# KiCad board helixloop.kicad_pcb (continued)
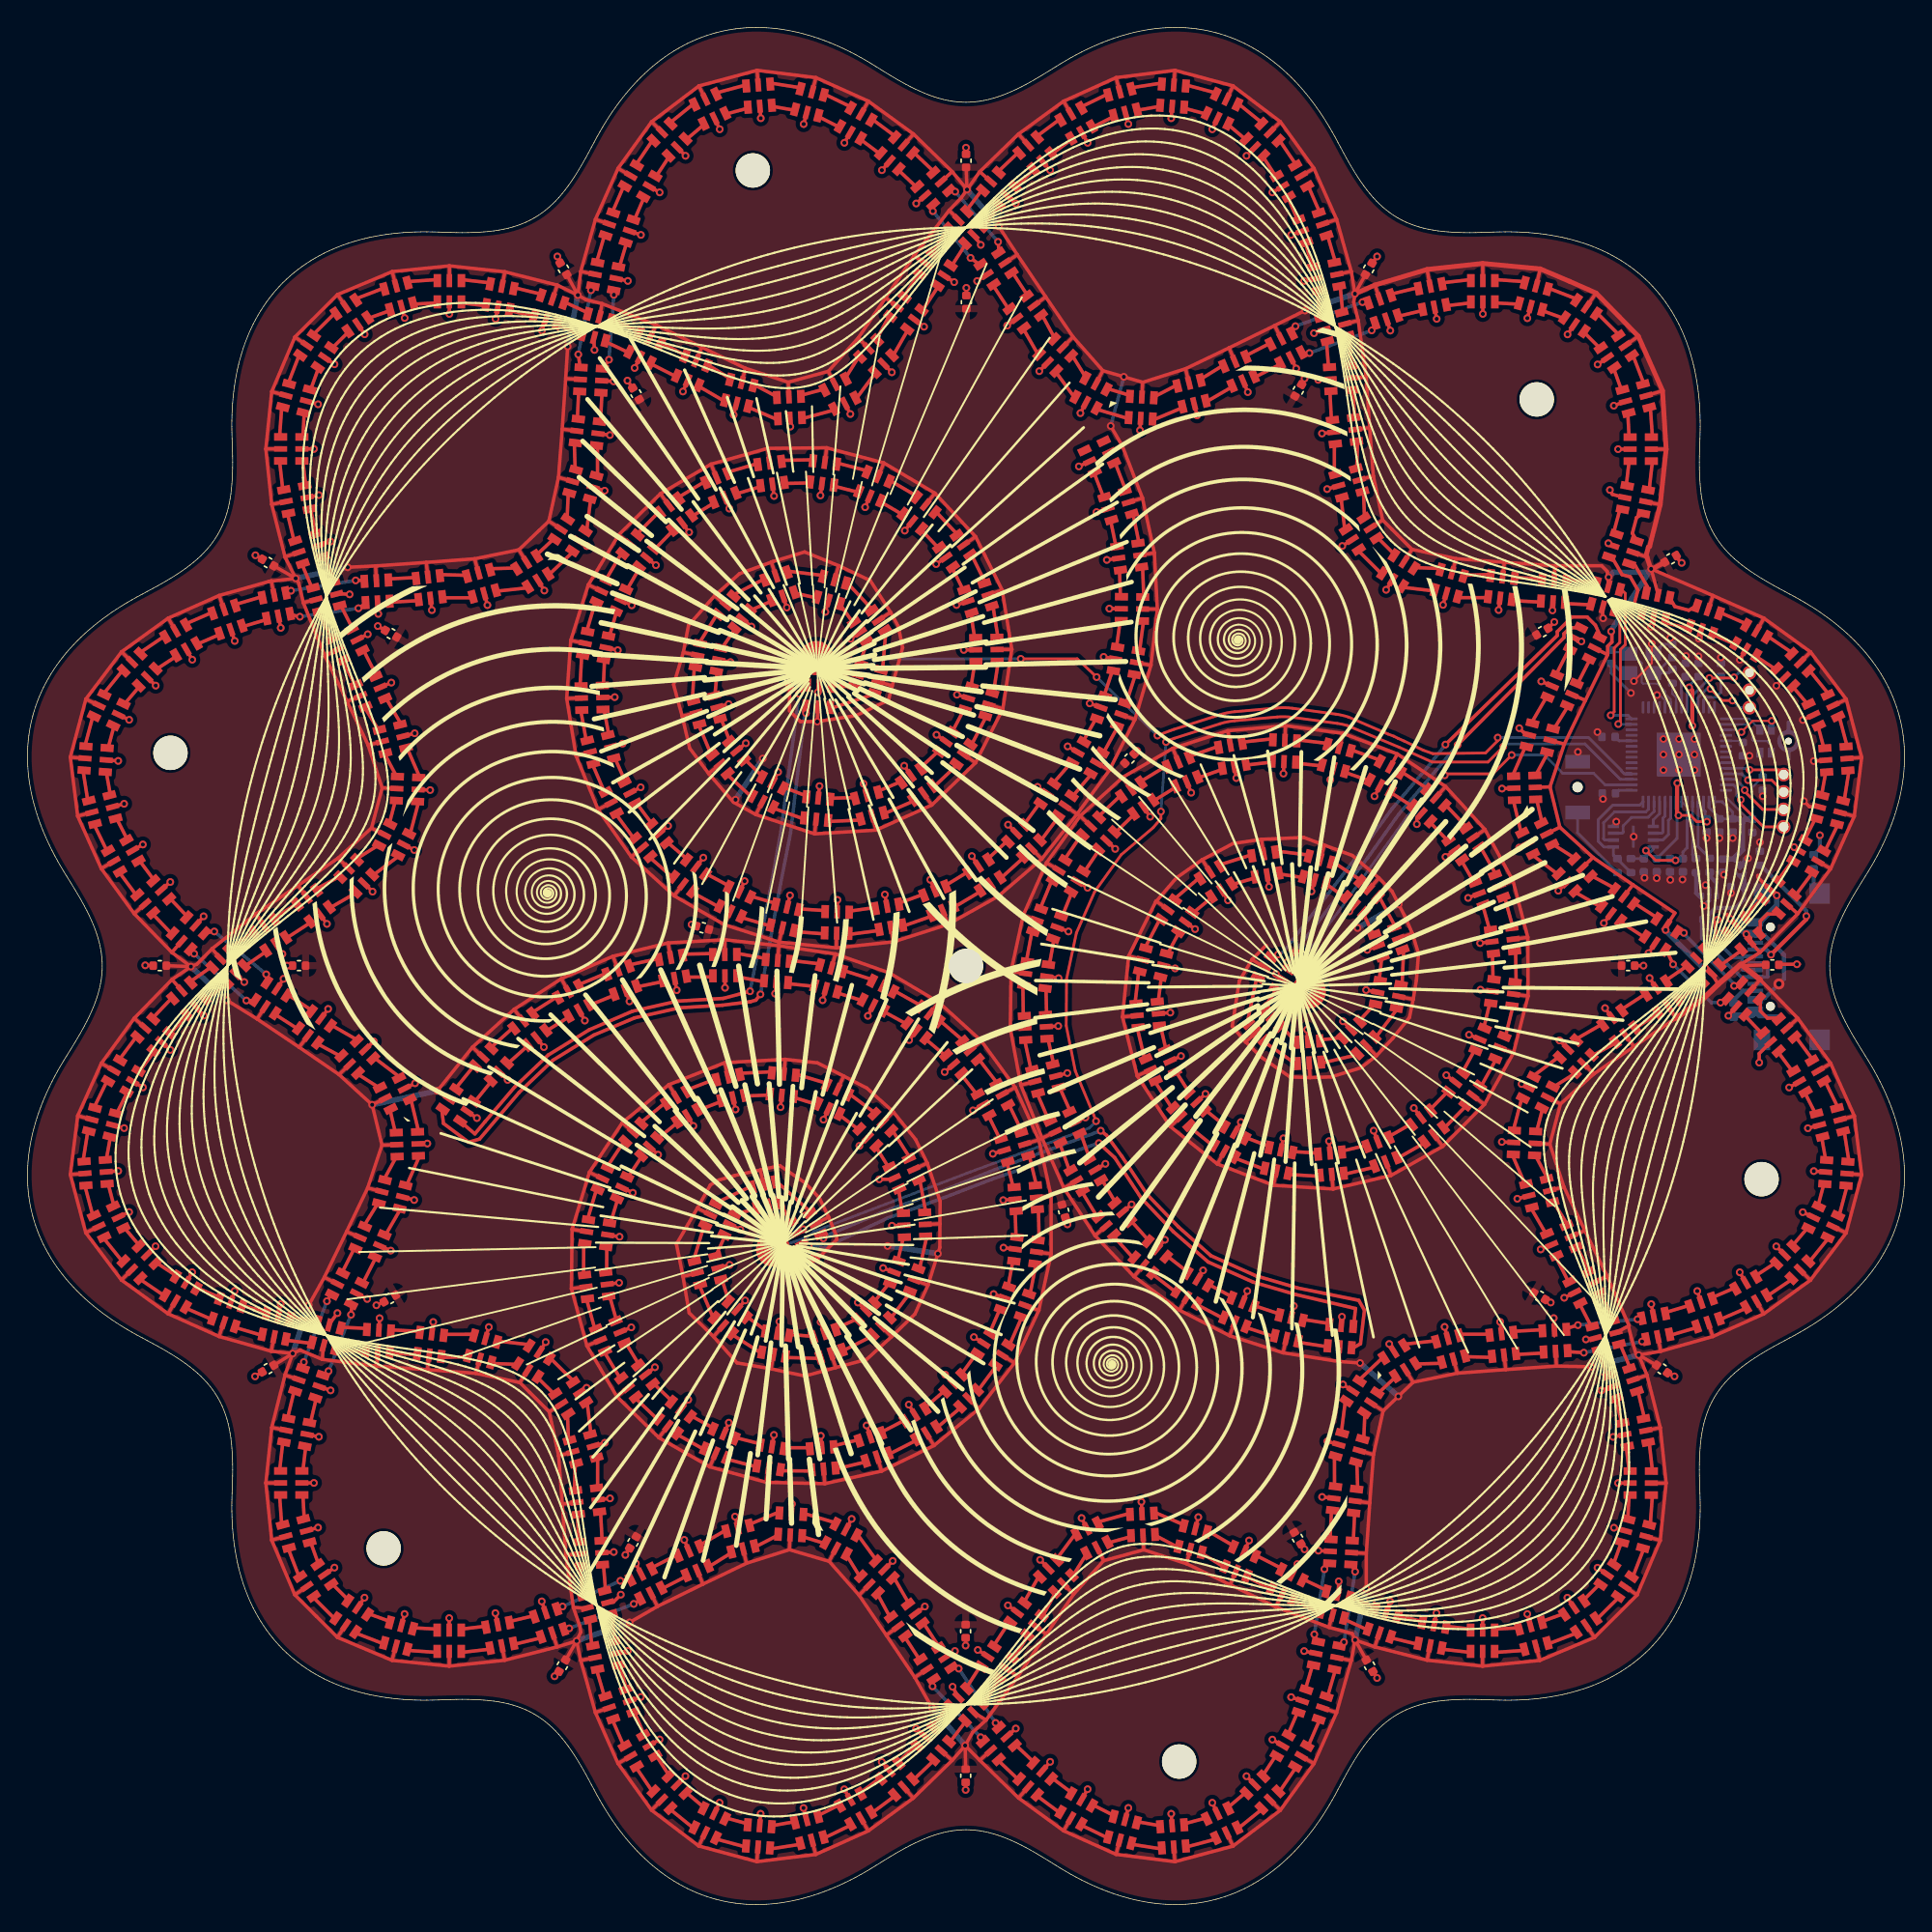
[diagram p0: board, top side]
## Routing (per net, layer and track width the routed paths; a pad name or vN(x,y) marks a point on that pad's centre or on a via; arc(x,y) is an arc through that point) (continued)
; 43.02,10.28 45.47,6.88 ; 43.02,10.28 41.37,13.99 ; 43.02,10.28 43.88,10.78 ; 45.47,6.88 46.17,7.58 ; 94.47,77.18 94.2,76.22 ; 17.79,102 18.76,98.18 ; 17.79,102 18.77,102.2 ; 116.45,113.61 117.35,114.25 ; 71.9,39.46 71.06,39.99 ; 5.16,87.38 4.25,87.82 ; 4.25,87.82 6.86,91.26 ; 73.48,71.73 72.54,72.06 ; 106.01,17.37 106.01,18.37 ; 18.76,98.18 19.71,98.5 ; 75.47,113.49 76.17,114.2 ; 76.17,114.2 78.34,111.74 ; 59.46,60.35 59.04,59.45 ; 43.73,37.62 42.94,37.01 ; 57.42,3.65 53.14,3.12 ; 57.42,3.65 57.17,4.62 ; 57.35,78 61.82,78.27 ; 57.35,78 57.45,78.99 ; 61.82,78.27 61.56,79.24 ; 78.34,111.74 77.88,110.86 ; 41.37,13.99 42.32,14.32 ; v1(20.49,43.66) 21.63,45.69 ; 21.63,45.69 23.25,49.02 ; 21.63,45.69 22.52,45.24 ; 24.78,52.2 23.25,49.02 ; 24.78,52.2 25.75,51.95 ; 24.78,52.2 25.83,55.32 ; 23.25,49.02 24.17,48.63 ; 25.83,55.32 26.83,55.36 ; 111.22,96.53 111.28,97.53 ; 40.86,96.14 39.58,92.09 ; 40.86,96.14 41.76,95.71 ; 113.61,116.45 114.27,117.4 ; 106.02,118.38 106.02,119.55 ; 63.09,70.14 62.91,71.12 ; 53.14,3.12 53.21,4.12 ; 40.56,91.89 39.58,92.09 ; 6.86,91.26 7.57,90.56 ; 49.8,104.93 50.18,104.01 ; 117.99,109.93 119.11,110.28 ; 109.93,117.99 110.21,119.16
  Top w0.3: D110.5 122.59,67.85 v1(122.22,68.22) ; D111.5 125.5,70.41 v1(125.22,70.69)
  Top w0.35: C12.2 118.28,97.25 117.98,98.16 117.92,98.27 118.08,98.88 118.18,98.94 118.95,101.98 119.38,106.02 119.11,110.28 117.35,114.25 114.27,117.4 112.34,118.25 110.21,119.16 106.02,119.55 101.96,119.12 98.16,117.98 v1(96.7,117.34)
  Top w0.4: 126.22,67.38 124.94,68.4 ; 124.82,68.5 124.02,67.79 123.17,67.04 121.99,65.91 120.09,64.57
  Bottom w0.2: U9.4 124.62,75.02 124.91,75.02 U9.3
  Bottom w0.25: v1(78.91,107.71) v1(79.87,111.29) ; v1(115.37,92.74) 115.37,92.82
  Bottom w0.3: v1(122.22,68.22) 122.11,68.22 ; C33.1 125.06,75.12 125.12,75.17 ; C33.1 125.06,73.22 124.46,72.61 123,72.61 122.5,72.11 U6.5 122.5,71.15 122.76,70.89 124.95,70.89 124.99,70.85 125.27,70.85 ; C33.1 125.06,74.59 124.68,74.97 ; v1(125.22,70.69) 125.27,70.75 125.27,70.85 ; 125.27,70.85 J6.A4 ; J6.B4 126.57,66.04 127.96,67.43 127.96,69.21 126.57,70.6 J6.B9 125.82,70.66
  Bottom w0.4: v1(117.38,40.03) v1(113.91,39.17) ; v1(68.31,11.58) v1(65.89,14.35) ; v1(19.32,40.14) v1(20.49,43.66) ; v1(25.11,58.26) v1(29.86,59.28) ; v1(40.1,117.25) v1(39.35,113.5) ; v1(66.32,47.42) v1(62.66,47.98) ; 122.11,68.22 122.07,68.22 119.34,70.94 v1(119.34,70.99) ; v1(68.45,124.93) v1(70.76,122.25) ; v1(11.91,68.33) v1(14.53,65.88) ; v1(93.07,116.12) v1(96.7,117.34) ; v1(96.72,19.28) v1(97.53,23) ; v1(97.08,39.45) v1(99.87,37.02) ; v1(115.18,96.7) 115.53,97.05 118.03,97.05 v1(118.28,97.3) 115.37,92.82 ; v1(40.01,19.21) v1(43.86,20.55) ; v1(19.54,96.61) v1(23.33,97.42) ; v1(51.58,80.49) v1(53.56,83.49) ; v1(99.89,72.87) v1(96.9,71.14)
  vias: v2(127.59,67.06)
GND: length 348.5
  Top w0.15: v1(118.33,91.84) 118.33,90.43 v1(117.03,89.13) ; D210.2 111.24,41.37 ; 114.09,41.13 D101.2 113.63,41.27 v1(113.53,41.17)
  Top w0.2: C13.1 55.78,46.64 v1(55.75,46.61)
  Top w0.25: 105.7,73.62 v1(104.95,73.33) ; 45.08,38.65 v1(45.71,39.14) ; 109.22,77.27 v1(108.67,77) ; 109.28,59.56 v1(108.85,59.78) ; 41.25,114.08 v1(41.31,113.25) ; 59.67,27.39 v1(60.04,28.09) ; 18.21,66.77 v1(18.65,67.44) ; 92.81,14.85 v1(92.06,15.11) ; 59.58,109.29 v1(59.95,108.58) ; 108.21,55.52 v1(107.41,55.56) ; 60.63,92.65 v1(59.96,92.21) ; 98.3,66.47 v1(97.52,66.62) ; 55.06,95.25 v1(55.32,94.49) ; 118.46,93.79 118.46,93.27 v1(118.27,93.09) ; v1(111.1,94.28) 111.13,94.31 111.13,94.83 ; v1(108.68,85.7) 109.15,85.22 109.35,85.22 ; 57.86,33.35 v1(57.79,34.15) ; 5.81,53.38 v1(6.61,53.44) ; 21.42,64.61 v1(21.91,65.25) ; 41.91,111.01 v1(42.7,110.96) ; C36.1 v1(43.71,111.02) ; 74.98,60.37 v1(75.75,60.57) ; 91.38,11.62 v1(90.69,12.02) ; 8.77,47.39 v1(9.33,47.96) ; 51.74,27.49 v1(51.55,28.26) ; 12.3,71.39 v1(12.83,71.99) ; 47.38,127.96 v1(47.94,127.4) ; 42.58,84.37 v1(43.35,84.57) ; 112.63,21.69 v1(112.18,22.35) ; 65.34,12.29 v1(64.74,12.82) ; 12.31,65.36 v1(12.84,64.76) ; 89.37,8.78 v1(88.8,9.35) ; 126.06,74.98 126.06,74.84 126.93,73.96 ; C45.1 v1(80.84,84.04) ; 125.15,91.37 v1(124.75,90.68) ; 27.4,51.53 v1(28.17,51.32) ; v1(127.43,73.51) 127.43,73.5 127.02,73.91 D112.2 ; 42.95,118.44 v1(43.74,118.28) ; C48.1 v1(25.52,93.14) ; 28.54,81.22 v1(29.34,81.19) ; 83.38,5.81 v1(83.32,6.61) ; 21.32,37.71 v1(22.08,37.46) ; 20.44,102.52 v1(21.23,102.68) ; 22.6,95.5 v1(23.47,95.45) ; 87.92,82.85 v1(88.06,82.06) ; 91.47,67.38 91.36,67.38 v1(90.95,67.79) ; 111.02,88.79 v1(110.28,89.11) ; 46.06,78.06 v1(46.67,78.58) ; 50.31,87.25 v1(51.08,87.45) ; 51.76,43.41 v1(52.28,44.01) ; v1(38.4,16.63) 38.73,16.96 C7.1 ; 121.9,43.94 v1(121.64,44.69) ; 55.66,28.55 v1(55.69,29.18) ; 71.9,47.75 v1(71.1,47.85) ; 112.71,92.27 112.95,92.02 v1(113.2,92.02) ; 94.88,54.82 v1(94.82,55.61) ; 54.28,103.41 v1(54.39,102.61) ; 37.74,115.42 v1(37.48,114.66) ; 45.36,11.63 v1(46.05,12.02) ; 42.95,18.32 v1(43.74,18.48) ; v1(93.44,68.3) C14.1 ; 20.07,30.71 v1(20.87,30.71) ; v1(93.04,25.88) 92.77,26.15 C49.1 ; v1(115.28,103.05) 115.47,102.73 116.3,102.51 ; 7.72,59.93 v1(8.41,59.53) ; 40.24,99.3 v1(40.75,98.96) ; 57.68,88.88 57.68,88.41 v1(57.58,88.31) ; 71.4,12.3 v1(72,12.83) ; 57.87,103.45 v1(57.77,102.65) ; 11.61,91.38 v1(12.01,90.68) ; 114.74,94.45 114.74,93.75 v1(114.79,93.7) ; C38.1 75.61,49.7 v1(75.76,49.55) ; 66.87,84.75 v1(66.22,85.22) ; v1(111.23,93.44) 111.23,93.43 C39.1 ; 68.48,87.9 v1(67.72,88.14) ; 51.72,84.1 v1(52.34,84.6) ; 29.37,95.09 v1(29.46,94.3) ; 37.32,40.3 v1(37.76,40.97) ; 29.47,41.65 v1(29.56,42.44) ; 103.45,41.31 v1(103.24,42.08) ; 66.84,118.63 v1(67.51,118.19) ; v1(129.41,80.39) 129.82,79.98 130.47,79.98 ; 64.68,115.43 v1(65.32,114.95) ; 42.31,45.2 v1(43.1,45.3) ; 5.81,83.38 v1(6.61,83.31) ; C2.1 v1(68.37,127.99) ; 47.15,67.4 v1(47.3,66.61) ; 9.8,73.97 v1(10.41,74.49) ; 94.83,111.12 v1(94.03,111.07) ; 42.22,91.54 v1(43.01,91.38) ; 44.68,24.13 v1(44.32,24.85) ; 67.42,38.04 v1(66.86,38.6) ; 21.7,24.09 v1(22.36,24.55) ; 76.54,74.49 v1(77.23,74.08) ; 60.41,89.56 v1(59.64,89.79) ; 58.14,66.65 v1(57.93,65.88) ; 98.35,69.82 v1(97.6,69.55) ; 94.84,25.74 v1(94.04,25.78) ; 109.47,20.39 v1(109.26,21.16) ; 50.07,6.7 v1(50.42,7.42) ; 79.42,98.07 v1(78.63,97.96) ; 66.07,73.92 v1(65.77,74.66) ; C47.1 v1(43.56,25.47) ; 20.07,106.04 v1(20.87,106.04) ; 78.14,87.24 v1(77.38,87.5) ; 110.97,48.04 v1(110.24,47.73) ; 68.97,121.58 v1(69.45,120.91) ; v1(55.7,90.04) 55.57,89.76 C15.1 ; 37.72,21.33 v1(37.47,22.08) ; C44.1 48.49,71.29 v1(48.38,71.4) ; 41.64,29.49 v1(42.44,29.59) ; 50.43,90.67 v1(51.21,90.51) ; 24.08,92.18 v1(24.79,92.54) ; 84.47,81.74 v1(84.78,81) ; 99.01,21.33 v1(99.27,22.09) ; 79.61,94.4 v1(78.81,94.41) ; 74.27,112.28 v1(73.71,111.71) ; 85.23,58.52 v1(85.82,59.06) ; 115.32,72.14 v1(114.84,71.5) ; 90.32,74.93 v1(90.45,74.14) ; C8.1 v1(68.35,8.35) ; 107.27,95.1 v1(107.17,94.31) ; 6.27,56.77 v1(7.04,56.56) ; 11.6,45.37 v1(12,46.07) ; 75.08,71.16 v1(75.84,70.89) ; 130.93,83.36 v1(130.13,83.3) ; 54.25,33.42 v1(54.38,34.21) ; 116.68,30.7 v1(115.88,30.7) ; 54.01,50.88 v1(54.19,50.1) ; 91.53,83.19 v1(91.5,82.39) ; 54.94,58.88 v1(54.86,58.09) ; 51.22,49.52 v1(51.93,49.17) ; 92.07,112.61 v1(92.43,111.9) ; 21.32,99.04 v1(22.08,99.29) ; 71.4,124.45 v1(72,123.92) ; 41.28,103.22 v1(42.05,103) ; 73.98,126.95 v1(74.5,126.35) ; 61.12,80.88 v1(60.91,81.65) ; 92.81,121.89 v1(92.06,121.63) ; 69.85,118.71 v1(69.18,118.27) ; 126.94,62.78 126.16,61.99 v1(126.16,61.34) ; 18.13,69.92 v1(18.57,69.25) ; 55.55,108.21 v1(55.57,107.67) ; 115.05,112.65 v1(114.39,112.2) ; 25.77,88.7 v1(26.51,89.02) ; 103.96,76.78 v1(103.3,76.32) ; 45.35,55.16 v1(45.94,54.62) ; 43.3,94.99 v1(44.02,94.65) ; 85.29,45.62 v1(85.64,46.2) ; 14.84,92.81 v1(15.1,92.05) ; 106.03,116.68 v1(106.03,115.88) ; 115.42,99.03 115.22,99.08 v1(115.17,99.17) ; 8.78,89.36 v1(9.34,88.8) ; 62.61,72.79 v1(62.46,73.58) ; 15.23,67.74 v1(15.79,67.2) ; 95.1,107.26 v1(94.31,107.17) ; 71.14,44.2 v1(70.38,44.47) ; 81.33,79.91 v1(81.79,79.25) ; 6.27,79.98 v1(7.04,80.19) ; 73.98,9.8 v1(74.5,10.4) ; 82.83,68.4 v1(83.6,68.2) ; 20.4,109.5 v1(21.17,109.29) ; 50.82,102.43 v1(51.13,101.69) ; 79.83,50.48 v1(80.44,51) ; C11.1 127.64,68.5 129.08,68.5 v1(128.9,68.5) ; 24.57,74.35 v1(25.14,73.79) ; 77.16,27.45 v1(76.79,28.16) ; 56.75,130.48 v1(56.55,129.71) ; 30.72,20.07 v1(30.72,20.87) ; 24.65,62.33 v1(25.22,62.89) ; 34.25,116.3 v1(34.1,115.51) ; 66.86,98.11 v1(66.2,97.65) ; 47.72,100.61 v1(48.2,99.97) ; 27.47,77.19 v1(28.18,76.82) ; 106.64,66.54 v1(105.85,66.65) ; 116.3,34.22 v1(115.52,34.07) ; 116.68,106.03 v1(115.88,106.03) ; v1(62.05,52.83) 63.02,52.83 63.09,52.9 ; 27.52,59.47 v1(28.24,59.83) ; 20.44,34.23 v1(21.23,34.08) ; 82.35,47.82 v1(82.86,48.43) ; 25.51,94.82 v1(25.56,94.02) ; 44.59,112.65 v1(44.23,111.94) ; 67.77,15.17 v1(67.39,15.87) ; 69.59,58.24 v1(68.88,57.85) ; 82.46,64.91 v1(83.26,64.98) ; 84.41,71.53 v1(85.06,71.06) ; 86.66,130.05 v1(86.31,129.33) ; 64.33,82.31 v1(63.87,82.96) ; 68.44,94.92 v1(67.68,94.67) ; 93.79,118.44 v1(93.01,118.28) ; 116.35,109.49 v1(115.57,109.19) ; 69.24,75.71 v1(68.8,76.38) ; 48.75,75.63 v1(49.24,76.27) ; 76.35,56.99 v1(77.07,57.34) ; 95.11,29.6 v1(94.31,29.69) ; v1(121.76,92.22) 121.91,92.38 121.91,92.81 ; 47.37,8.79 v1(47.93,9.36) ; 42.34,48.77 v1(43.13,48.65) ; 52.13,93.61 v1(52.74,93.1) ; 96.39,63.77 v1(95.84,64.35) ; 61.06,43.29 v1(60.49,43.86) ; 27.27,116.35 v1(27.48,115.58) ; v1(119.99,38.48) C10.1 ; 95.72,42.26 v1(95.76,42.82) ; 62.76,9.79 v1(62.24,10.39) ; 28.53,55.42 v1(29.13,55.44) ; 61.34,102.53 v1(61.02,101.8) ; 81.19,28.54 v1(81.15,29.34) ; 74.33,67.6 v1(75.12,67.48) ; 125.14,45.37 v1(124.74,46.06) ; 21.99,42.29 v1(22.58,43.09) ; 48.1,57.41 v1(48.51,56.72) ; 92.08,42.82 v1(92.25,43.6) ; 14.83,43.94 v1(15.09,44.7) ; 32.08,57.75 v1(32.74,57.3) ; 65.34,124.45 v1(64.74,123.92) ; 99.41,96.45 v1(98.98,95.78) ; 99.51,40.34 v1(99.2,40.84) ; 109.49,116.35 v1(109.27,115.57) ; 43.38,52.19 v1(44.1,51.85) ; v1(56.51,49.2) D276.2 55.96,48.86 ; C46.1 v1(117.72,68.4) ; 101.51,79.43 101.22,79.14 v1(101.22,78.71) ; 93.79,18.31 v1(93.01,18.46) ; 54.53,67.16 v1(54.47,66.36) ; 103.34,95.45 v1(103.12,94.68) ; 43.58,66.55 v1(43.86,65.8) ; 91.33,55.04 v1(91.49,55.82) ; v1(120.51,97.74) 120.41,97.77 C12.1 ; 107.38,41.65 v1(107.28,42.45) ; 79.19,90.75 v1(78.4,90.89) ; 50.38,46.41 v1(51.15,46.6) ; 37.13,63.09 v1(37.62,62.47) ; 78.66,77.45 v1(79.24,76.9) ; 79.99,130.48 v1(80.2,129.71) ; 69.62,40.91 v1(68.95,41.34) ; 79.99,6.27 v1(80.2,7.04) ; 6.69,86.65 v1(7.41,86.31) ; 45.16,98.08 v1(45.79,97.57) ; 47.65,36.14 v1(48.14,36.78) ; 64.62,35.74 v1(64.21,36.42) ; C40.1 v1(93.04,111.17) ; 64.72,63.6 v1(64.23,62.98) ; 64.73,21.23 v1(65.38,21.71) ; 105.76,63.06 v1(105.02,63.36) ; 71.88,51.38 v1(71.08,51.31) ; 43.25,41.74 v1(43.99,42.05) ; 87.03,73.84 v1(87.45,73.16) ; 40.21,65.09 v1(40.6,64.4) ; 69.9,18.11 v1(69.23,18.55) ; 106.01,20.07 v1(106.01,20.87) ; C3.1 v1(38.6,120.06) ; 118.45,42.96 v1(118.29,43.74) ; C4.1 v1(16.61,98.29) ; 98.36,55.63 v1(98.07,56.38) ; 112.1,74.41 v1(111.52,73.86) ; 21.71,112.66 v1(22.37,112.21) ; 95.45,103.34 v1(94.68,103.12) ; 112.67,44.56 v1(111.95,44.2) ; 48.07,110.96 v1(47.75,110.22) ; 61.38,34.14 v1(61.13,34.9) ; 104,59.93 v1(103.36,60.42) ; 41.98,87.94 v1(42.78,87.96) ; 91.38,125.13 v1(90.69,124.73) ; 76.83,7.71 v1(77.23,8.4) ; 88.57,43.95 v1(88.86,44.69) ; 94.4,114.72 v1(93.72,114.47) ; C9.1 v1(98.32,16.51) ; 61.58,65.45 v1(61.22,64.74) ; 106.62,70.14 v1(105.82,70.04) ; 43.93,121.89 v1(44.69,121.63) ; 24.04,44.48 v1(24.75,44.12) ; 40.28,37.36 v1(40.73,37.64) ; 130.05,50.09 v1(129.33,50.44) ; 21.34,72.08 v1(21.82,71.44) ; 18.29,42.96 v1(18.45,43.74) ; 48.16,25.83 v1(47.85,26.57) ; 112.65,115.05 v1(112.2,114.39) ; 96.66,72.77 v1(96.29,72.35) ; 6.68,50.1 v1(7.41,50.45) ; 25.61,41.92 v1(25.65,42.71) ; v1(16.58,38.48) C6.1 ; 27.26,20.39 v1(27.47,21.17) ; C5.1 v1(8.58,68.42) ; 77.32,105.11 v1(76.59,104.77) ; 89.37,127.96 v1(88.8,127.4) ; 37.23,96.4 v1(37.66,95.73) ; 72.01,115.51 v1(71.37,115.03) ; 58.03,41.68 v1(57.78,42.44) ; 69.01,91.41 v1(68.21,91.4) ; 115.41,64.66 v1(114.93,65.3) ; 53.36,130.93 v1(53.42,130.13) ; 78.65,101.67 v1(77.88,101.44) ; v1(43.23,22.58) 42.68,22.03 42.35,22.03 ; 130.06,86.64 v1(129.34,86.3) ; 62.41,112.2 v1(62.97,111.62) ; 56.74,6.26 v1(56.53,7.03) ; 66.9,18.03 v1(67.57,18.47) ; 18.3,93.79 v1(18.45,93) ; 62.77,126.95 v1(62.24,126.35) ; 95.12,82.71 v1(94.91,81.94) ; 93.27,62.94 v1(93.22,63.74) ; 92.15,24.09 v1(92.51,24.8) ; 24.1,21.7 v1(24.55,22.36) ; 54.31,81.8 v1(54.68,82.5) ; 76.47,83.97 v1(75.78,84.37) ; 129.03,59.92 v1(128.34,59.52) ; 112.18,62.4 v1(111.6,62.95) ; 63.78,49.48 v1(62.98,49.45) ; 74.33,24.54 v1(73.77,25.11) ; 77.08,109.36 v1(76.71,108.65) ; 43.93,14.86 v1(44.69,15.12) ; 41.64,107.15 v1(42.43,107.05) ; 58.33,57.9 v1(57.99,57.18) ; v1(110.97,43.86) 110.75,44.08 C43.1 ; 127.97,47.38 v1(127.4,47.95) ; 55.37,72.74 v1(55.55,73.52) ; 129.02,76.81 128.92,76.81 v1(128.7,77.03) ; 7.72,76.82 v1(8.41,77.22) ; 102.49,20.45 v1(102.65,21.23) ; C1.1 v1(98.32,120.06) ; 72,78.09 v1(71.44,78.67) ; 58.35,94.94 v1(58.13,94.17) ; 50.78,34.37 v1(51.09,35.1) ; 74.24,80.97 v1(73.58,81.42) ; 61.17,55.84 v1(60.61,55.27) ; 99.03,115.42 v1(99.28,114.66) ; 108.22,81.33 v1(107.42,81.3) ; 51.41,58.7 v1(51.58,57.92) ; 95.46,33.52 v1(94.7,33.75) ; 86.66,6.69 v1(86.31,7.42) ; 130.93,53.37 v1(130.13,53.43) ; 34.4,60.62 v1(34.98,60.07) ; C42.1 v1(18.92,68.4) ; 81.09,108.2 v1(81.05,107.4) ; 25.73,47.95 v1(26.46,47.64) ; 95.49,22.66 v1(95.53,23.54) ; 83.38,130.93 v1(83.32,130.13) ; 109.31,51.62 v1(108.53,51.42) ; 41.29,33.42 v1(42.06,33.64) ; C29.1 v1(68.35,18.87) ; 96.5,37.45 v1(95.84,37.89) ; 77.83,53.56 v1(78.52,53.96) ; 98.51,81.44 v1(98.13,80.74) ; 67.43,61.17 v1(66.82,60.65) ; 83.31,61.48 v1(84.03,61.81) ; C37.1 v1(68.4,117.78) ; 127.98,89.35 v1(127.41,88.79) ; 124.44,65.35 v1(123.91,64.75) ; 74.29,63.95 v1(75.09,64) ; 111.23,41.92 v1(111.19,42.72) ; 76.83,129.03 v1(77.23,128.34) ; 85.01,109.26 v1(85.2,108.48) ; 116.35,27.24 v1(115.57,27.45) ; 115.42,37.71 v1(114.67,37.45) ; 53.35,5.82 v1(53.41,6.61) ; 88.68,25.78 v1(88.99,26.52) ; 24.11,115.06 v1(24.56,114.39) ; 85.1,27.45 v1(85.3,28.22) ; 118.61,66.83 v1(118.17,67.5) ; 93.75,74.58 v1(93.54,73.81) ; 54.64,41.68 v1(54.78,42.47) ; 62.47,24.46 v1(63.04,25.03) ; 33.3,95.43 v1(33.51,94.66) ; 34.24,20.45 v1(34.09,21.23) ; 50.81,67.59 v1(50.82,66.79) ; 64.41,100.71 v1(63.91,100.09) ; 30.74,116.68 v1(30.73,115.88) ; 50.09,130.05 v1(50.43,129.33) ; 63.08,46.08 v1(62.33,46.37) ; 57.62,80.68 v1(57.7,81.48) ; 58.99,72.39 v1(59.01,73.19) ; 72.07,21.31 v1(71.43,21.79) ; 71.09,54.93 v1(70.33,54.69) ; 43.96,81.02 v1(44.67,81.39) ; 33.39,41.3 v1(33.61,42.07) ; 51.64,109.3 v1(51.44,108.52) ; 102.51,116.3 v1(102.66,115.51) ; 51.9,73.83 v1(52.24,74.56) ; 59.9,7.7 v1(59.5,8.4) ; 115.04,24.08 v1(114.38,24.54) ; 59.91,129.03 v1(59.51,128.34) ; 118.53,69.98 v1(118.09,69.31) ; 20.4,27.25 v1(21.17,27.46) ; 45.36,125.13 v1(46.06,124.73) ; 88,56.3 v1(88.39,57) ; 27.43,85.13 v1(28.21,85.33) ; 9.81,62.79 v1(10.41,62.26) ; 96.45,99.4 v1(95.78,98.97) ; 41.91,25.64 v1(42.71,25.68) ; 101.48,57.39 v1(100.99,58.03) ; 90.7,64.68 v1(91.28,65.23) ; C41.1 v1(25.42,43.66) ; 130.48,56.76 v1(129.7,56.56) ; 88.59,110.92 v1(88.9,110.18)
  Top w0.3: D111.2 124.07,71.73 v1(124.07,71.8) 123.82,72.11
  Bottom w0.15: U7.19 119.3,87.71 118.9,88.11 v1(118.71,88.11) ; v1(118.33,91.84) 118.45,91.73 Y6.2 ; Y6.4 116.7,89.46 v1(117.03,89.13)
  Bottom w0.2: v1(124.1,73.68) 124.1,73.68 C33.2 ; v1(114.37,85.42) 114.37,85.39 C24.2 ; C26.2 120.59,74.7 v1(120.57,74.67) ; U10.4 115.54,78.69 v1(115.74,78.89) ; C25.2 v1(124.23,77.69) ; SW6.2 112.92,83.94 v1(112.95,83.97) ; C17.2 v1(118.69,74.77) ; C23.2 v1(123.36,90.85) ; v1(119.68,74.65) 119.65,74.67 C20.2 ; v1(116.81,88.26) 115.36,89.71 C30.2 115.49,90.42 116.19,89.72 Y6.4 ; C27.2 v1(122.32,77.69) ; C18.2 114.73,80.59 v1(114.78,80.54) ; C32.2 v1(126.41,80.74) ; C34.2 123.52,75.1 v1(123.59,75.03) ; C22.2 125.44,83.69 v1(125.45,83.69) ; v1(117.8,74.8) 117.75,74.85 C35.2 ; C16.2 v1(121.74,90.93) ; C28.2 v1(123.26,77.69) ; U10.9 v1(117.01,77.8) ; v1(120.82,90.95) 120.8,90.93 C19.2 ; R6.1 v1(126.21,77.39) ; Y6.2 119.14,91.81 C31.2 119.68,91.97 v1(119.68,92.27)
  Bottom w0.3: U6.2 122.5,73.13 v1(122.11,72.74) 122.07,72.74 ; U6.2 122.5,74.01 v1(122.25,74.27) ; U6.2 122.5,73.87 ; 128.29,86.1 128.29,85.44 ; v1(125.34,76.22) 125.29,76.17 U9.2 125.09,76.01 U9.5 ; 127.61,64.72 127.6,64.71 126.16,64.71 J6.A12 ; v1(130.58,77.9) 130.58,76.93 R13.1 ; 128.29,84.1 128.29,83.43
  Bottom w0.4: v1(127.43,73.51) 127.43,72.79 126.3,71.65 J6.A1 124.22,71.65 v1(124.07,71.8) ; J6.A12 125.67,64.79 124.46,64.79 R7.1
  vias: v1(119.18,84.91) v1(119.18,83.78) v1(119.18,82.65) v1(120.32,84.91) v1(120.32,83.78) v1(120.32,82.65) v1(121.44,84.91) v1(121.44,83.78) v1(121.44,82.65)
/LED_DATA: length 9.7
  Top w0.2: v1(115.34,86.64) 115.59,86.89 115.59,91.53 116,91.94 116,93.83 115.61,94.22
  Bottom w0.2: v1(115.34,86.64) 116.6,86.64 U7.14
/LED_SCK: length 11.2
  Top w0.2: v1(115.89,86) 116.05,86.15 116.05,91.42 116.4,91.78 116.4,95.51 116.05,95.86
  Bottom w0.2: v1(115.89,86) 115.92,85.98 U7.13
/PDM_CLK: length 4.8
  Bottom w0.15: MIC6.4 127.04,84.43 126.72,84.76 125.75,84.76 125.65,84.86 125.65,85.49 125.17,85.98 U7.30
/PDM_DATA: length 2.8
  Bottom w0.15: MIC6.1 125.43,86.38 U7.29
/PDM_LRCLK: length 4.4
  Top w0.15: v1(127.07,86.23) 125.67,86.23 v1(124.86,85.42)
  Bottom w0.15: v1(127.07,86.23) 127.07,85.63 MIC6.2 ; U7.31 124.7,85.58 v1(124.86,85.42)
/QSPI0: length 2
  Bottom w0.2: U10.5 118.44,79.01 118.9,79.47 U7.53
/QSPI1: length 6.2
  Bottom w0.2: U10.2 114.91,77.55 114.82,77.63 114.82,78.81 115.62,79.6 117.9,79.6 118.1,79.8 U7.55
/QSPI2: length 4.6
  Bottom w0.2: U10.3 116.17,78.05 116.25,78.12 116.25,78.58 116.86,79.2 118.06,79.2 118.5,79.64 U7.54
/QSPI3: length 3.7
  Bottom w0.2: U10.7 119.13,77.55 119.54,77.95 119.54,78.98 119.7,79.14 U7.51
/QSPI_SCK: length 3
  Bottom w0.2: U7.52 119.3,79.31 119.14,79.15 119.14,78.12 119.07,78.05 U10.6
/QSPI_SS: length 9.1
  Bottom w0.2: R20.2 115.54,76.45 U10.1 114.84,77.05 114.42,77.46 114.42,79.02 115.48,80.08 117.44,80.08 U7.56
